# KiCad board EBAZ4205.kicad_pcb (continued)
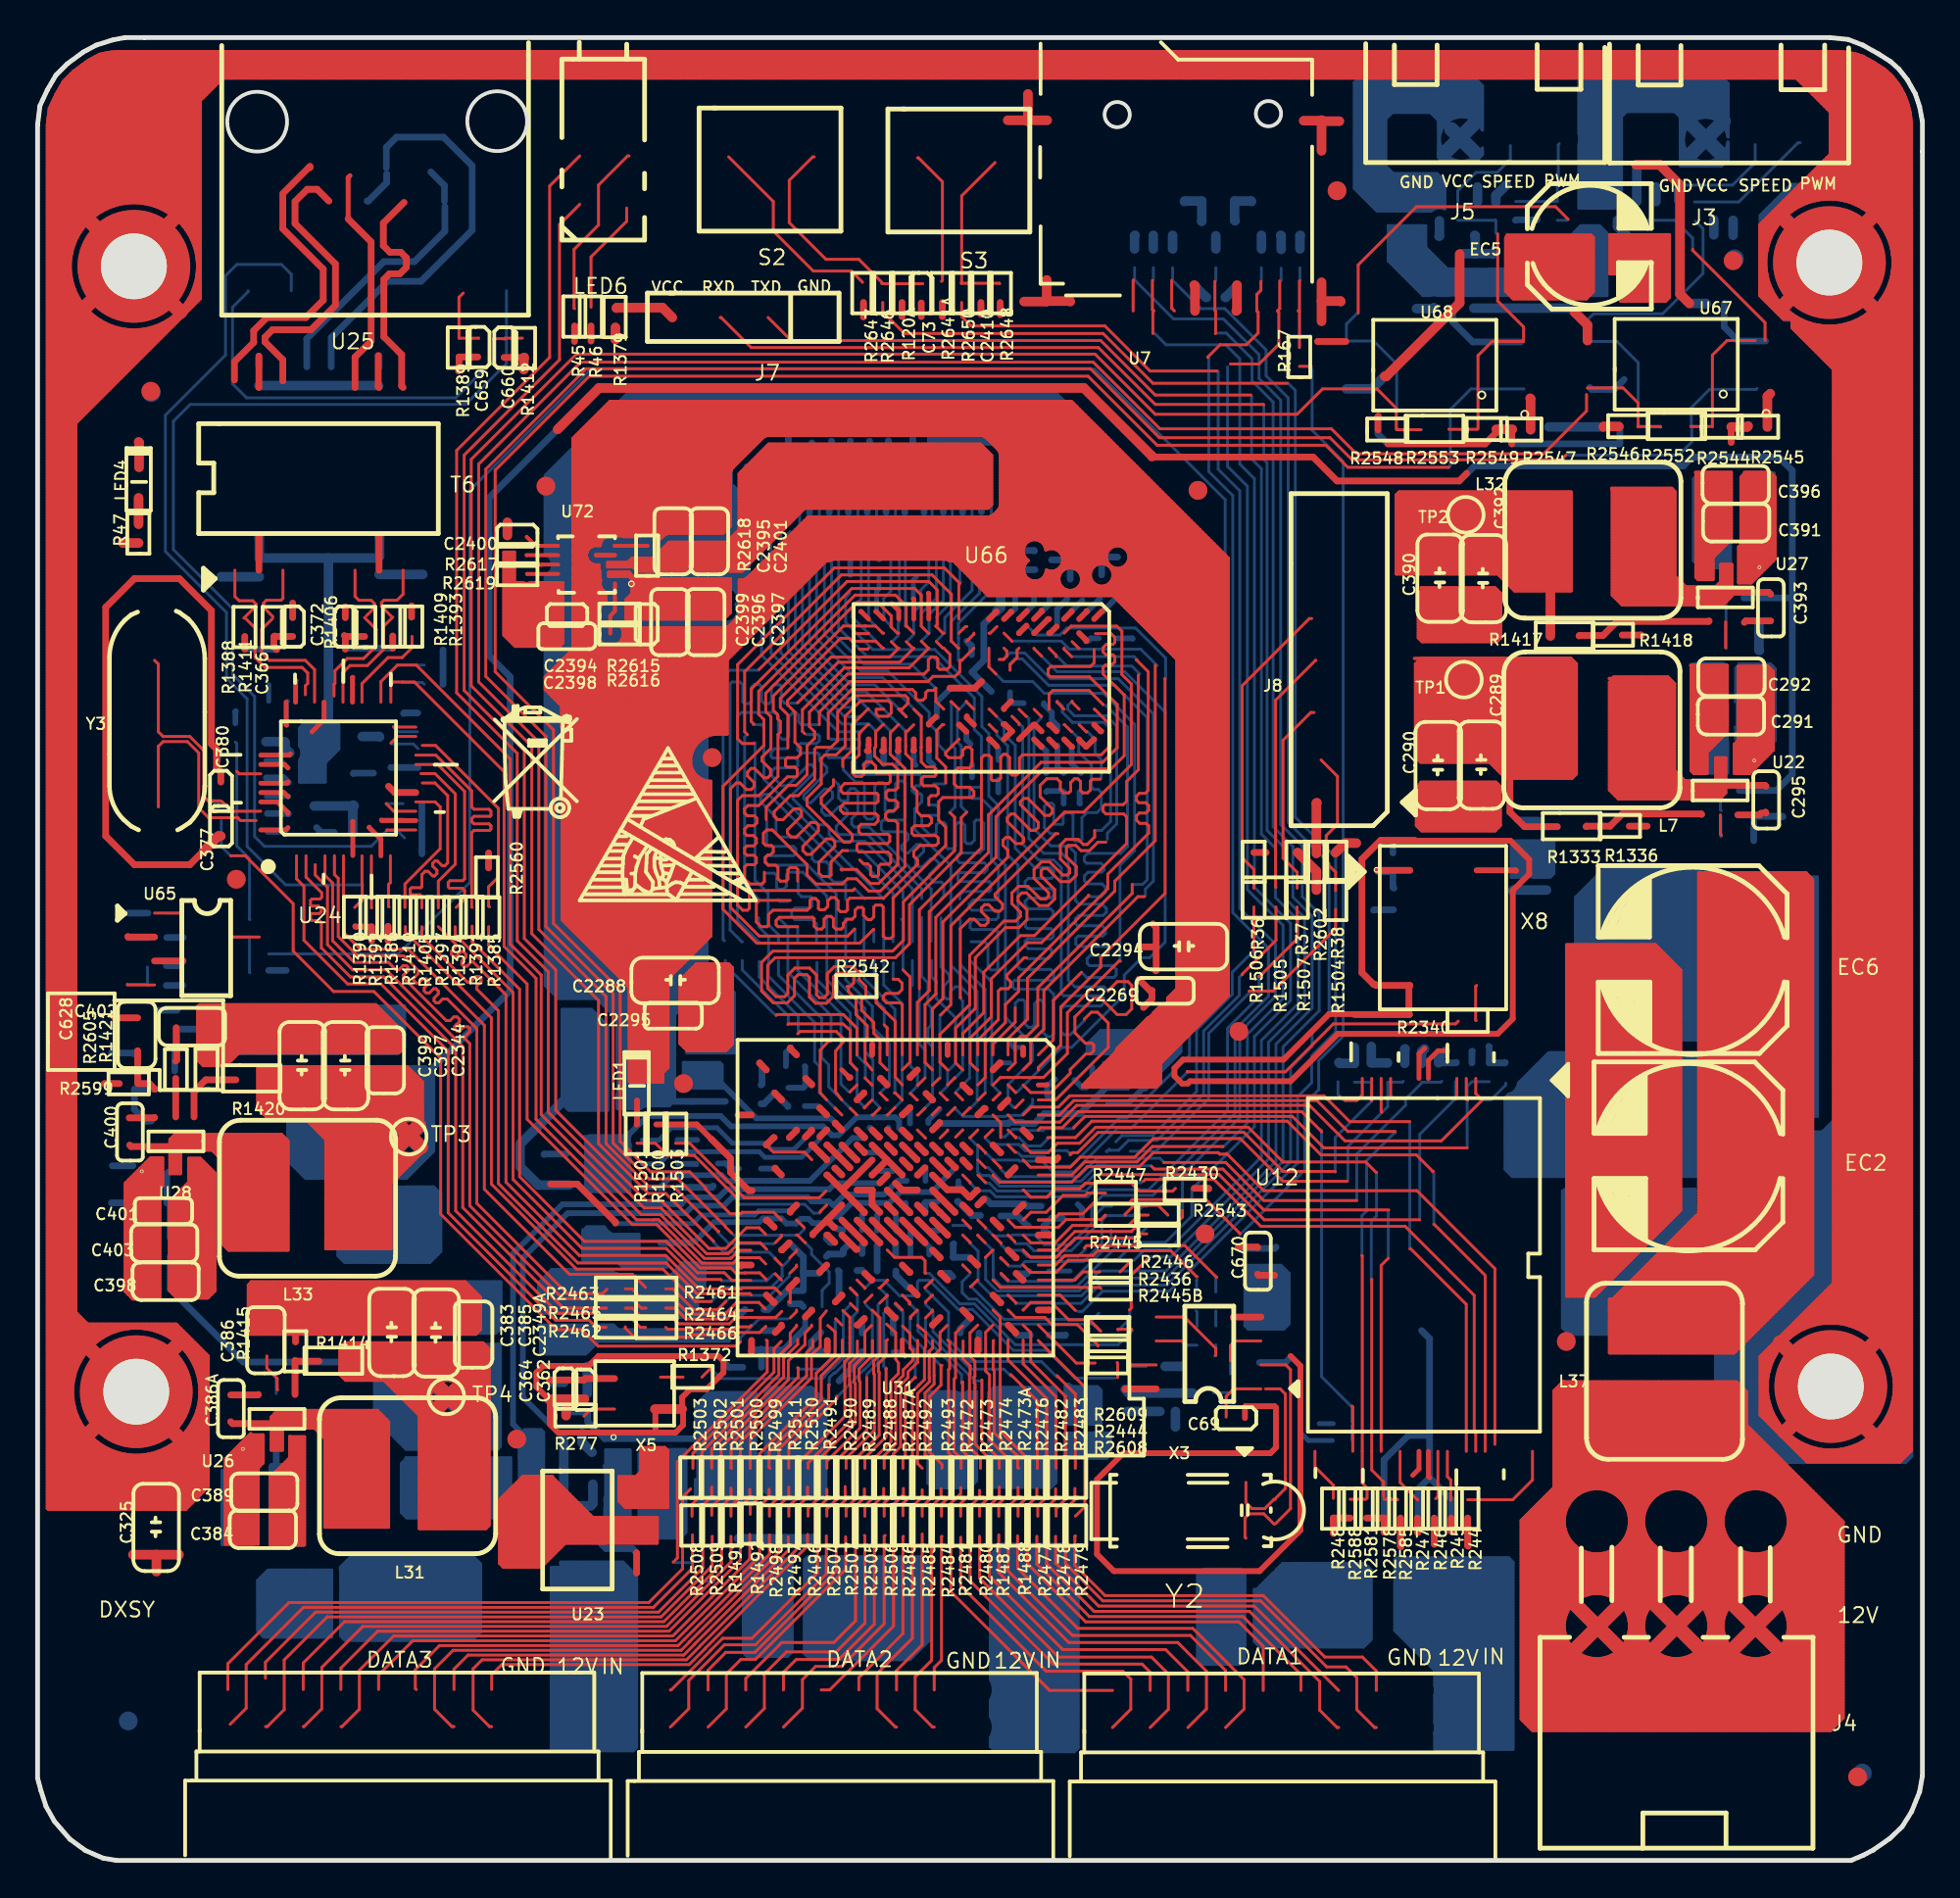
[diagram p0: board, top side]
## Routing (per net, layer and track width the routed paths; a pad name or vN(x,y) marks a point on that pad's centre or on a via; arc(x,y) is an arc through that point) (continued)
; 4.67,35.63 6.5,35.63 ; 81.38,30.3 83.11,30.3 ; 27.92,51.02 35.82,51.02 ; 89.89,27.02 89.89,52.56 ; 18.87,28.02 18.87,30.79 ; 36.09,43.11 36.09,47.71 ; 82.42,30.04 82.42,48.74 ; 83.8,69.92 87.13,69.92 ; 60.63,53 63.36,53 ; 75.25,64.88 75.25,67.73 ; 31.52,68.86 31.52,69.18 ; 86.53,27.02 86.53,32.57 ; 83.65,59.56 87.1,59.56 ; 25.57,15.62 25.57,20.17 ; 10.79,16.84 10.79,22.16 ; 56.66,41.17 56.66,42.3 ; 81.38,46.91 87.43,46.91 ; 87.45,14.2 87.45,16.32 ; 60.63,62.61 63.36,62.61 ; 88.51,6.92 88.51,11.33 ; 88.4,48.43 94.45,48.43 ; 83.65,27.4 90.66,27.4 ; 15.3,19.48 18.67,19.48 ; 14.6,23.02 14.6,23.94 ; 73.48,65.2 77.85,65.2 ; 28.49,67.64 30.05,67.64 ; 9.9,33.65 13.32,33.65 ; 19.81,24.2 21.05,24.2 ; 83.65,28.16 91.42,28.16 ; 62.45,45.13 62.45,70.21 ; 90.65,72.21 92.45,72.21 ; 30.01,47.98 34.58,47.98 ; 81.35,6.92 81.35,11.84 ; 33.34,70.56 33.34,77.65 ; 78.95,17.04 81.55,17.04 ; 83.65,57.88 87.23,57.88 ; 73.33,60.78 81.88,60.78 ; 13.08,32.49 13.08,38.54 ; 90.65,70.53 92.45,70.53 ; 84.86,27.02 84.86,30.89 ; 90.53,69.46 92.45,69.46 ; 31.69,68.85 37.69,68.85 ; 81.66,30.04 81.66,48.74 ; 16.12,17.74 16.12,23.94 ; 82.27,6.92 82.27,10.88 ; 24.82,65.81 27.94,65.81 ; 40.66,71.14 61.52,71.14 ; 14.14,42.99 14.14,45.54 ; 4.67,35.17 6.5,35.17 ; 24.59,18.41 29.38,18.41 ; 57.12,67.33 57.12,68.07 ; 31.49,41.73 33.27,41.73 ; 78.95,11.4 81.6,11.4 ; 36.24,59.96 36.24,65.6 ; 37.34,72.82 50.76,72.82 ; 86.84,56.51 86.84,62.9 ; 13.38,16.79 13.38,21.38 ; 41.57,75.86 41.57,77.65 ; 4.67,33.35 6.5,33.35 ; 87.6,6.92 87.6,10.78 ; 85.31,32.5 85.31,48.74 ; 78.95,8.05 96.08,8.05 ; 15.21,22.56 15.21,23.94 ; 81.38,46.3 87.43,46.3 ; 34.19,46.76 36.97,46.76 ; 60.39,46.15 63.36,46.15 ; 87.6,56.51 87.6,57.51 ; 47.67,69.27 47.67,71.5 ; 88.4,47.52 94.45,47.52 ; 28.49,64.59 37.37,64.59 ; 50.41,67.51 50.41,71.5 ; 77.69,64.92 77.69,67.59 ; 27.92,58.03 34.85,58.03 ; 81.38,42.34 87.43,42.34 ; 88.4,51.33 94.45,51.33 ; 41.27,75.86 41.27,77.65 ; 47.98,75.86 47.98,77.65 ; 35.33,66.08 35.33,68.21 ; 28.52,75.71 38.56,75.71 ; 80.7,24.05 90.93,24.05 ; 8.05,29.94 8.05,36.09 ; 11.22,28.16 23.47,28.16 ; 27.92,55.14 35.82,55.14 ; 81.38,39.29 87.43,39.29 ; 26.79,15.62 26.79,20.44 ; 84.25,83.79 86.83,83.79 ; 80.7,23.74 90.93,23.74 ; 75.86,64.88 75.86,67.73 ; 90.5,59.86 92.35,59.86 ; 29.25,48.74 35.34,48.74 ; 28.49,74.34 37.19,74.34 ; 27.05,62.3 36.69,62.3 ; 28.49,68.64 28.49,68.81 ; 12.4,17.5 14.2,17.5 ; 11.4,28.02 11.4,30.79 ; 46.3,69.27 46.3,71.5 ; 7.44,35.48 9.42,35.48 ; 76.32,64.88 76.32,67.73 ; 80.7,21.92 92.18,21.92 ; 13.69,39.49 13.69,42.24 ; 33.34,42.02 33.34,65.6 ; 94.3,6.92 94.3,19.79 ; 24.59,18.26 29.53,18.26 ; 60.63,62.76 63.36,62.76 ; 38.22,68.7 41.48,68.7 ; 12.16,32.49 12.16,38.64 ; 78.95,15.67 96.08,15.67 ; 4.67,33.5 6.5,33.5 ; 83.68,85.77 86.83,85.77 ; 34.19,44.93 36.97,44.93 ; 4.67,32.58 6.5,32.58 ; 82.27,83.13 82.27,86.5 ; 88.25,69.01 89.15,69.01 ; 16.24,25.73 24.02,25.73 ; 33.5,70.62 33.5,77.65 ; 90.45,59.56 92.35,59.56 ; 90.53,68.24 91.41,68.24 ; 88.25,69.46 89.26,69.46 ; 28.49,71.9 36.86,71.9 ; 40.81,71.29 61.37,71.29 ; 88.97,66.83 88.97,67.78 ; 37.04,70.53 39.36,70.53 ; 82.42,14.13 82.42,16.4 ; 55.61,41.25 57.31,42.94 ; 80.44,57.61 80.44,63.98 ; 87.75,27.02 87.75,33.79 ; 77.86,57.88 81.88,57.88 ; 45.54,75.86 45.54,77.65 ; 83.68,85.62 86.83,85.62 ; 27.25,62.1 27.25,63.21 ; 30.6,68.36 30.6,68.56 ; 81.38,45.38 87.43,45.38 ; 84.67,17.65 85.5,17.65 ; 90.8,19.68 90.8,25.07 ; 88.51,27.02 88.51,52.56 ; 13.38,39.49 13.38,42.24 ; 74.65,54.81 74.65,57.38 ; 34.28,43.4 36.91,43.4 ; 55.14,67.33 55.14,67.62 ; 44.77,69.27 44.77,71.5 ; 16.58,28.02 16.58,30.79 ; 12.4,17.04 14.2,17.04 ; 84.25,83.94 86.83,83.94 ; 10,19.02 11.72,19.02 ; 27.92,56.51 35.82,56.51 ; 13.53,28.02 13.53,30.79 ; 54.42,69.62 56.92,69.62 ; 14.29,23.02 14.29,23.94 ; 73.47,63.83 81.74,63.83 ; 86.38,33.57 86.38,48.43 ; 40.05,71.22 40.05,75.38 ; 15.67,17.74 15.67,23.94 ; 32.12,21.76 33.52,21.76 ; 90.65,71.9 92.45,71.9 ; 16.43,17.74 16.43,23.94 ; 81.38,35.33 87.43,35.33 ; 16.12,42.99 16.12,45.54 ; 49.5,68.42 49.5,71.5 ; 18.1,17.74 18.1,23.91 ; 85.92,13.66 85.92,16.86 ; 88,62.3 89.9,62.3 ; 60.63,63.83 63.36,63.83 ; 84.21,84.4 86.83,84.4 ; 77.4,58.34 81.88,58.34 ; 92.32,29.06 92.32,52.56 ; 84.25,6.92 84.25,11.28 ; 32.92,69.46 38.3,69.46 ; 88.53,19.17 90.09,19.17 ; 57.88,66.69 57.88,68.92 ; 86.53,6.92 86.53,10.86 ; 60.63,58.03 63.36,58.03 ; 92.02,6.92 92.02,10.84 ; 80.7,23.9 90.93,23.9 ; 12.31,32.49 12.31,38.64 ; 13.42,21.76 14.2,21.76 ; 83.48,19.72 83.48,25.47 ; 88.25,70.68 90.13,70.68 ; 28.49,70.68 36.51,70.68 ; 27.92,51.63 35.82,51.63 ; 29.38,69.87 29.38,76.57 ; 36.7,43.2 36.7,47.71 ; 77.71,58.03 81.88,58.03 ; 90.5,62.45 92.35,62.45 ; 4.72,36.09 6.65,36.09 ; 84.63,17.5 85.55,17.5 ; 27.92,55.6 35.82,55.6 ; 57.73,69.93 57.73,74.94 ; 73.73,68.48 73.73,72.83 ; 78.4,67.79 81.6,67.79 ; 52.24,67.33 52.24,77.65 ; 81.5,13.41 81.5,17.11 ; 84.25,83.33 86.83,83.33 ; 81.66,83.13 81.66,86.5 ; 37.34,71.45 40.28,71.45 ; 54.68,67.33 54.68,67.65 ; 88.25,71.14 90.13,71.14 ; 83.79,19.59 83.79,25.47 ; 90.65,71.6 92.45,71.6 ; 73.38,55.14 77.83,55.14 ; 76.17,54.81 76.17,57.38 ; 28.49,72.05 36.86,72.05 ; 77.39,64.88 77.39,67.73 ; 4.67,33.04 6.5,33.04 ; 90.5,63.52 92.11,63.52 ; 53.6,68.4 54.37,68.4 ; 86.23,13.92 86.23,16.6 ; 15.35,33.19 18.79,33.19 ; 27.39,20.44 25.84,20.44 24.59,19.19 24.59,15.82 24.79,15.62 26.79,15.62 28.07,16.89 32.97,16.89 32.97,18.24 29.54,18.24 27.37,20.42 ; 10,17.95 11.72,17.95 ; 59.39,45.11 59.71,45.44 ; 85.01,32.2 85.01,48.74 ; 10,19.32 11.72,19.32 ; 92.43,19.48 94.62,19.48 ; 28.49,70.38 30.11,70.38 ; 31.67,18.79 31.67,20.42 ; 88.69,13.38 89.93,13.38 ; 50.72,67.33 50.72,71.52 ; 90.3,58.49 91.73,58.49 ; 88,61.84 89.9,61.84 ; 73.42,57.12 77.83,57.12 ; 93.24,6.92 93.24,20.86 ; 58.15,66.42 63.36,66.42 ; 88.97,6.92 88.97,25.47 ; 81.38,36.39 87.43,36.39 ; 89.3,58.64 89.83,58.64 ; 86.08,13.81 86.08,16.72 ; 74.19,64.88 74.19,67.73 ; 56.97,69.71 56.97,75.7 ; 55.44,68.56 55.44,77.22 ; 34.72,66.08 34.72,68.21 ; 60.63,63.37 63.36,63.37 ; 73.38,56.2 77.83,56.2 ; 76.47,68.48 76.47,72.83 ; 55.29,67.33 55.29,67.69 ; 15.3,22.37 18.67,22.37 ; 12.17,39.59 20.47,39.59 ; 88,60.17 89.9,60.17 ; 28.49,74.04 36.92,74.04 ; 7.02,31.67 9.42,31.67 ; 74.34,54.81 74.34,57.38 ; 10.03,42.32 10.03,45.54 ; 81.38,34.41 87.22,34.41 ; 77.69,68.48 77.69,72.83 ; 56.99,67.94 63.36,67.94 ; 82.27,30.04 82.27,48.74 ; 87.14,34.33 87.14,47.67 ; 19.93,24.08 19.93,27.54 ; 46.6,75.86 46.6,77.65 ; 78.46,67.73 78.46,72.83 ; 36.85,68.63 36.85,70.34 ; 33.04,68.63 33.04,69.58 ; 31.36,70.47 31.36,77.65 ; 72.31,71.9 81.6,71.9 ; 34.56,66.08 34.56,68.21 ; 78.15,83.51 78.15,86.38 ; 15.3,20.54 18.67,20.54 ; 86.38,56.51 86.38,62.98 ; 31.49,43.86 33.54,43.86 ; 79.37,83.13 79.37,86.5 ; 82.11,6.92 82.11,10.96 ; 9.27,42.31 9.27,45.54 ; 60.63,55.9 63.36,55.9 ; 45.38,69.27 45.38,71.5 ; 30.17,47.82 34.43,47.82 ; 30.91,68.36 30.91,68.56 ; 88.67,13.42 88.67,17.11 ; 88.25,69.92 89.72,69.92 ; 83.65,57.73 87.38,57.73 ; 7.02,31.06 9.42,31.06 ; 81.38,45.54 87.43,45.54 ; 11.72,40.81 20.47,40.81 ; 44.47,69.27 44.47,71.5 ; 73.48,67.33 77.85,67.33 ; 59.52,65.04 63.36,65.04 ; 54.83,67.33 54.83,67.6 ; 30.88,64.74 37.52,64.74 ; 41.27,68.49 41.27,71.5 ; 78.91,57.61 78.91,63.98 ; 61.23,43.91 61.23,71.43 ; 75.71,68.48 75.71,72.83 ; 87.92,33.95 94.45,33.95 ; 76.78,64.88 76.78,67.73 ; 15.82,32.57 15.82,42.24 ; 40.96,75.86 40.96,77.65 ; 23.13,28.02 23.13,30.4 ; 91.71,6.92 91.71,10.76 ; 89.73,59.89 89.73,63.61 ; 8.52,44.01 19.42,44.01 ; 39.28,69.77 52.44,69.77 ; 83.65,29.08 92.34,29.08 ; 28.49,66.87 30.08,66.87 ; 12.47,21.84 12.47,23.61 ; 88.22,34.26 94.45,34.26 ; 10,18.71 11.72,18.71 ; 15.67,42.99 15.67,45.54 ; 58.64,41.17 58.64,44.4 ; 72.31,70.68 81.6,70.68 ; 74.04,58.46 74.04,63.98 ; 24.82,67.48 27.94,67.48 ; 24.82,69.46 25.37,69.46 ; 12.4,17.19 14.2,17.19 ; 88.25,70.07 89.87,70.07 ; 12.4,17.65 14.2,17.65 ; 15.3,21.46 18.67,21.46 ; 13.84,39.49 13.84,42.24 ; 63.06,45.74 63.06,69.6 ; 7.44,29.94 7.44,35.48 ; 15.82,42.99 15.82,45.54 ; 36.69,63.06 27.1,63.06 27.1,62.25 ; 37.35,67.33 40.11,67.33 ; 37.35,67.48 40.26,67.48 ; 60.32,64.25 60.32,72.35 ; 89.3,57.58 89.83,57.58 ; 40.66,67.88 40.66,71.14 ; 7.02,31.21 9.42,31.21 ; 41.73,71.98 41.73,75.38 ; 84.7,31.89 84.7,48.74 ; 86.23,27.02 86.23,32.27 ; 31.64,67.79 36.87,67.79 ; 83.84,13.99 86.34,13.99 ; 47.06,71.98 47.06,75.38 ; 73.33,63.67 81.88,63.67 ; 42.64,75.86 42.64,77.65 ; 83.79,56.85 83.79,62.84 ; 84.09,19.39 84.09,25.47 ; 89.43,59.59 89.43,63.61 ; 86.85,32.89 94.45,32.89 ; 7.02,33.5 9.42,33.5 ; 15.35,34.72 18.79,34.72 ; 88.4,39.44 94.45,39.44 ; 33.04,41.44 33.04,65.6 ; 60.63,53.77 63.36,53.77 ; 78.95,17.8 81.25,17.8 ; 22.68,24.83 22.68,27.54 ; 32.74,41.44 32.74,65.6 ; 50.72,75.51 50.72,77.65 ; 83.65,28.77 92.03,28.77 ; 49.04,68.88 49.04,71.5 ; 33.23,69.77 38.6,69.77 ; 72.31,71.6 81.6,71.6 ; 34.72,43.11 34.72,47.36 ; 84.57,17.34 85.61,17.34 ; 31.49,44.62 33.54,44.62 ; 91.93,14.14 96.08,14.14 ; 60.63,62.3 63.36,62.3 ; 38.83,75.86 38.83,77.65 ; 27.92,59.1 34.87,59.1 ; 31.49,45.69 33.54,45.69 ; 88.4,48.13 94.45,48.13 ; 40.05,67.27 40.05,70.53 ; 84.25,66.91 84.25,73.03 ; 87.61,33.65 94.45,33.65 ; 83.18,30.37 83.18,48.74 ; 28.49,65.65 29.88,65.65 ; 19.93,28.02 19.93,30.79 ; 91.41,14.22 91.41,16.31 ; 29.38,48.61 29.38,69.08 ; 46.6,71.98 46.6,75.38 ; 28.49,72.21 36.86,72.21 ; 86.54,32.58 94.45,32.58 ; 10.33,32.49 10.33,38.64 ; 18.26,32.57 18.26,42.24 ; 34.19,45.23 36.97,45.23 ; 31.49,42.18 33.51,42.18 ; 39.74,70.23 52.74,70.23 ; 29.13,76.32 56.34,76.32 ; 88.4,39.59 94.45,39.59 ; 87.14,19.79 87.14,25.47 ; 81.38,44.01 87.43,44.01 ; 83.64,14.09 83.64,16.44 ; 23.74,17.67 23.74,27.49 ; 49.65,75.86 49.65,77.65 ; 45.38,71.98 45.38,75.38 ; 48.74,75.86 48.74,77.65 ; 90.5,61.08 92.35,61.08 ; 48.13,75.86 48.13,77.65 ; 15.97,28.02 15.97,30.79 ; 81.38,41.57 87.43,41.57 ; 92.07,16.43 96.08,16.43 ; 77.08,64.88 77.08,67.73 ; 73.38,56.51 77.83,56.51 ; 89.28,69.48 89.28,73.88 ; 11.7,28.02 11.7,30.79 ; 31.49,44.32 33.54,44.32 ; 36.39,59.96 36.39,65.6 ; 76.78,68.48 76.78,72.83 ; 10,17.5 11.72,17.5 ; 15.35,33.8 18.79,33.8 ; 59.83,64.74 63.36,64.74 ; 28.49,49.5 35.82,49.5 ; 24.82,66.87 27.94,66.87 ; 46.45,75.86 46.45,77.65 ; 73.88,54.81 73.88,57.38 ; 88.51,19.2 88.51,25.47 ; 10,19.78 11.72,19.78 ; 89.46,67.94 90.15,67.94 ; 84.45,11.55 85.72,11.55 ; 14.6,42.99 14.6,45.54 ; 21.91,17.67 21.91,23.79 ; 27.2,62.15 36.69,62.15 ; 88,61.39 89.9,61.39 ; 34.41,68.63 34.41,70.16 ; 57.27,69.95 57.27,75.39 ; 88.4,43.71 94.45,43.71 ; 81.38,39.14 87.43,39.14 ; 42.49,69.27 42.49,71.5 ; 57.42,69.98 57.42,75.24 ; 37.76,68.93 37.76,74.23 ; 83.03,30.22 83.03,48.74 ; 83.79,30.98 83.79,48.74 ; 17.04,42.99 17.04,45.54 ; 17.34,28.02 17.34,30.79 ; 83.65,58.95 87.1,58.95 ; 81.38,44.17 87.43,44.17 ; 80.7,20.39 93.7,20.39 ; 29.44,76.63 56.04,76.63 ; 60.63,51.33 63.36,51.33 ; 82.72,14.2 82.72,16.32 ; 37,74.15 38.57,75.72 ; 15.36,17.74 15.36,23.94 ; 93.11,12.92 96.08,12.92 ; 20.09,28.02 20.09,30.79 ; 78.95,17.34 81.38,17.34 ; 88.4,42.64 94.45,42.64 ; 17.65,17.74 17.65,23.94 ; 28.51,70.07 29.94,70.07 ; 16.43,32.57 16.43,42.24 ; 88.06,6.92 88.06,10.96 ; 85.92,56.51 85.92,62.98 ; 88.46,13.69 90.17,13.69 ; 35.48,48.87 35.48,57.49 ; 24.82,66.42 27.94,66.42 ; 60.63,55.14 63.36,55.14 ; 52.55,70.04 52.55,77.65 ; 88,62.15 89.9,62.15 ; 25.12,15.62 25.12,19.72 ; 31.52,66.08 31.52,67.31 ; 88,59.56 89.4,59.56 ; 31.49,42.03 33.36,42.03 ; 78.13,84.55 82.78,84.55 ; 28.49,74.19 37.04,74.19 ; 72.44,72.82 81.6,72.82 ; 80.49,19.63 82.24,19.63 ; 51.24,73.12 59.54,73.12 ; 76.02,58.46 76.02,63.98 ; 75.25,54.81 75.25,57.38 ; 61.08,43.76 61.08,71.58 ; 12.01,28.02 12.01,30.79 ; 54.51,69.46 56.87,69.46 ; 75.71,58.46 75.71,63.98 ; 38.91,75.86 50.16,75.86 ; 88.97,68.18 88.97,73.88 ; 28.68,75.86 56.8,75.86 ; 88,60.93 89.9,60.93 ; 78.13,84.7 82.78,84.7 ; 81.38,31.06 83.87,31.06 ; 85.77,32.96 85.77,48.74 ; 31.97,20.54 33.52,20.54 ; 62.3,44.98 62.3,70.36 ; 78.95,14.75 96.08,14.75 ; 78.48,83.18 82.46,83.18 ; 87.6,27.02 87.6,33.64 ; 90.53,69.62 92.45,69.62 ; 79.06,83.13 79.06,86.5 ; 92.57,16.73 96.08,16.73 ; 45.84,75.86 45.84,77.65 ; 7.59,35.63 9.42,35.63 ; 78.95,8.35 96.08,8.35 ; 7.02,33.8 9.42,33.8 ; 33.8,66.08 33.8,68.21 ; 81.38,35.17 87.43,35.17 ; 55.5,67.94 56.26,67.94 ; 90.95,14.15 90.95,16.37 ; 88.77,13.23 89.85,13.23 ; 9.9,34.11 13.32,34.11 ; 7.02,30.91 9.42,30.91 ; 92.48,19.44 92.48,21.62 ; 28.49,67.79 29.96,67.79 ; 78,68.19 78,72.83 ; 78.76,57.61 78.76,63.98 ; 78.13,85.92 82.78,85.92 ; 90.3,58.19 91.43,58.19 ; 60.63,47.52 63.36,47.52 ; 21.15,17.67 21.15,24.06 ; 83.8,68.4 87.13,68.4 ; 37.31,64.52 37.31,66.24 ; 83.65,60.02 87.1,60.02 ; 46.91,71.98 46.91,75.38 ; 46.76,69.27 46.76,71.5 ; 24.82,65.35 27.94,65.35 ; 72.31,69.62 81.6,69.62 ; 16.58,25.57 16.58,27.54 ; 56.81,67.33 56.81,67.85 ; 37.61,64.83 37.61,68.17 ; 31.06,70.51 31.06,77.65 ; 21.76,28.02 21.76,30.79 ; 10,18.26 11.72,18.26 ; 35.17,48.57 35.17,57.65 ; 85.77,66.83 85.77,73.03 ; 43.86,75.86 43.86,77.65 ; 10.33,42.62 10.33,45.54 ; 78.95,11.25 81.74,11.25 ; 60.63,57.12 63.36,57.12 ; 86.68,27.02 86.68,32.72 ; 89.58,68.55 90.15,68.55 ; 79.22,83.13 79.22,86.5 ; 17.8,28.02 17.8,30.79 ; 8.05,36.09 9.42,36.09 ; 9.9,36.09 13.32,36.09 ; 83.65,62 87.1,62 ; 38.37,69.54 38.37,74.84 ; 30.14,16.89 30.14,18.24 ; 41.42,75.86 41.42,77.65 ; 15.06,38.68 15.06,42.24 ; 24.59,16.73 27.91,16.73 ; 88,58.95 88.83,58.95 ; 33.53,70.07 38.91,70.07 ; 73.12,68.48 73.12,72.83 ; 56.55,42.18 59.76,42.18 ; 31.36,16.89 31.36,18.24 ; 83.48,6.92 83.48,10.81 ; 19.05,24.96 20.96,24.96 ; 83.8,69.16 87.13,69.16 ; 73.38,55.44 77.83,55.44 ; 24.82,67.03 27.94,67.03 ; 12.01,39.75 20.47,39.75 ; 87.75,6.92 87.75,10.82 ; 17.5,42.99 17.5,45.54 ; 39.44,69.92 52.48,69.92 ; 35.78,66.08 35.78,68.21 ; 16.28,17.74 16.28,23.94 ; 81.38,47.37 87.43,47.37 ; 86.53,33.72 86.53,48.28 ; 80.74,67.58 80.74,72.83 ; 60.63,46.91 63.36,46.91 ; 93.39,6.92 93.39,20.7 ; 27.71,64.63 27.71,68.01 ; 73.88,64.88 73.88,67.73 ; 56.97,68.93 56.97,69.04 ; 43.71,75.86 43.71,77.65 ; 84.55,56.51 84.55,62.98 ; 78.13,84.25 82.78,84.25 ; 88.4,39.75 94.45,39.75 ; 38.48,74.95 50.59,74.95 ; 15.3,20.09 18.67,20.09 ; 74.8,58.46 74.8,63.98 ; 39.75,66.96 39.75,70.23 ; 31.82,16.89 31.82,18.24 ; 85.01,66.83 85.01,73.03 ; 88.36,68.2 88.36,73.88 ; 30.2,77.39 55.28,77.39 ; 23.13,17.67 23.13,27.54 ; 88.4,47.67 94.45,47.67 ; 84.31,19.17 85.87,19.17 ; 83.8,69.01 87.13,69.01 ; 84.29,66.87 89.72,66.87 ; 77.69,58.05 77.69,63.98 ; 16.1,26.79 24.02,26.79 ; 59.51,45.23 62.55,45.23 ; 22.55,24.2 24.02,24.2 ; 31.97,41.44 31.97,65.6 ; 41.88,71.98 41.88,75.38 ; 53.36,70.23 62.44,70.23 ; 49.04,75.86 49.04,77.65 ; 83.68,85.92 86.83,85.92 ; 73.73,64.88 73.73,67.73 ; 61.54,44.22 61.54,71.13 ; 88.4,44.78 94.45,44.78 ; 59.71,64.86 59.71,72.95 ; 11.7,32.49 11.7,38.64 ; 15.3,22.07 18.67,22.07 ; 62.61,45.28 62.61,70.06 ; 27.02,62.91 36.69,62.91 ; 13.23,32.49 13.23,38.38 ; 30.94,19.17 33.52,19.17 ; 60.63,46.76 63.36,46.76 ; 28.49,67.33 30.23,67.33 ; 73.38,55.6 77.83,55.6 ; 45.38,75.86 45.38,77.65 ; 47.37,75.86 47.37,77.65 ; 32.74,70.58 32.74,77.65 ; 90.5,62.61 92.35,62.61 ; 28.49,72.97 36.86,72.97 ; 57.24,67.33 63.36,67.33 ; 75.71,54.81 75.71,57.38 ; 60.63,61.08 63.36,61.08 ; 81.38,40.36 87.43,40.36 ; 83.65,61.84 87.1,61.84 ; 28.16,49.83 28.16,64.13 ; 60.63,62.91 63.36,62.91 ; 85.16,6.92 85.16,25.47 ; 14.14,16.79 14.14,22.54 ; 12.55,20.54 14.2,20.54 ; 12.45,22.07 13.02,22.07 ; 86.53,14.09 86.53,16.44 ; 90.65,72.97 92.45,72.97 ; 22.68,28.02 22.68,30.79 ; 60.63,47.82 63.36,47.82 ; 90.65,70.68 92.45,70.68 ; 90.19,13.71 90.19,16.82 ; 32.12,21.46 33.52,21.46 ; 89.89,60.04 89.89,63.61 ; 11.55,16.84 11.55,22.64 ; 45.99,71.98 45.99,75.38 ; 93.54,6.92 93.54,20.55 ; 5.48,36.85 6.65,36.85 ; 80.89,57.61 80.89,63.98 ; 31.52,16.89 31.52,18.24 ; 77.54,68.48 77.54,72.83 ; 87.29,14.22 87.29,16.31 ; 81.38,30.45 83.26,30.45 ; 8.65,45.54 18,45.54 ; 10.64,32.49 10.64,38.64 ; 92.94,17.19 96.08,17.19 ; 58.95,41.17 58.95,44.7 ; 30.34,69.01 37.84,69.01 ; 35.02,47.67 36.81,47.67 ; 17.95,32.57 17.95,42.24 ; 58.46,66.11 63.36,66.11 ; 21,17.67 21,24.28 ; 86.38,83 86.38,86.53 ; 48.58,75.86 48.58,77.65 ; 78.96,18.11 81.23,18.11 ; 37.76,64.98 37.76,68.25 ; 42.4,69.27 48.25,69.27 ; 51.16,71.9 60.76,71.9 ; 83.65,57.12 89.83,57.12 ; 76.63,58.46 76.63,63.98 ; 28.49,66.72 29.92,66.72 ; 15.35,37.46 20.21,37.46 ; 60.63,57.58 63.36,57.58 ; 38.83,70 38.83,75.3 ; 13.84,28.02 13.84,30.79 ; 38.37,75.52 38.37,77.65 ; 78.95,16.43 82.33,16.43 ; 85.92,66.83 85.92,73.03 ; 58.87,44.62 61.94,44.62 ; 78.95,17.5 81.32,17.5 ; 84.4,27.02 84.4,30.44 ; 29.73,70 29.93,70 ; 21.46,28.02 21.46,30.79 ; 7.02,33.35 9.42,33.35 ; 78.76,83.13 78.76,86.5 ; 57.42,67.14 57.42,68.77 ; 84.4,13.48 84.4,17.04 ; 89.43,27.02 89.43,52.56 ; 22.22,28.02 22.22,30.79 ; 11.22,28.47 23.57,28.47 ; 29.23,48.76 29.23,69.31 ; 92.63,29.37 92.63,52.56 ; 73.38,55.29 77.83,55.29 ; 29.56,48.43 35.04,48.43 ; 88.4,47.06 94.45,47.06 ; 37.57,74.04 50.76,74.04 ; 16.28,42.99 16.28,45.54 ; 37.15,64.37 37.15,66.04 ; 34.19,46.3 36.97,46.3 ; 49.35,68.57 49.35,71.5 ; 33.5,42.17 33.5,65.6 ; 24.82,67.18 27.94,67.18 ; 16.43,28.02 16.43,30.79 ; 82.72,30.04 82.72,48.74 ; 9.9,33.8 13.32,33.8 ; 91.41,28.15 91.41,52.56 ; 75.41,54.81 75.41,57.38 ; 74.65,64.88 74.65,67.73 ; 88.4,36.55 94.45,36.55 ; 92.36,16.58 96.08,16.58 ; 81.2,67.58 81.2,72.83 ; 81.38,40.51 87.43,40.51 ; 33.65,47.05 33.65,65.6 ; 15.35,32.58 18.79,32.58 ; 84.25,13.67 84.25,16.86 ; 83.8,70.38 87.13,70.38 ; 10,18.11 11.72,18.11 ; 9.9,36.85 13.32,36.85 ; 90.5,62.76 92.35,62.76 ; 44.32,71.98 44.32,75.38 ; 88.4,52.09 94.45,52.09 ; 83.91,16.58 86.26,16.58 ; 31.49,42.95 33.54,42.95 ; 12.7,20.7 14.2,20.7 ; 12.31,42.99 12.31,45.54 ; 84.41,30.45 93.71,30.45 ; 44.62,71.98 44.62,75.38 ; 8.35,29.94 8.35,37.36 ; 84.55,13.23 85.63,13.23 ; 24.59,16.28 27.45,16.28 ; 91.26,68.09 91.26,73.88 ; 80.7,21.15 92.94,21.15 ; 11.15,22.52 12,22.52 ; 88.4,49.35 94.45,49.35 ; 83.65,60.62 87.1,60.62 ; 73.38,56.66 77.83,56.66 ; 34.19,44.47 36.97,44.47 ; 7.02,34.87 9.42,34.87 ; 78.13,84.4 82.78,84.4 ; 24.59,16.89 28.06,16.89 ; 15.35,35.02 18.79,35.02 ; 51.24,73.73 58.93,73.73 ; 12.47,42.99 12.47,45.54 ; 89.12,6.92 89.12,25.47 ; 31.32,66.57 36.87,66.57 ; 37.19,70.68 39.52,70.68 ; 92.93,29.67 92.93,52.56 ; 27.92,50.72 35.82,50.72 ; 88.4,36.85 94.45,36.85 ; 19.32,28.02 19.32,30.79 ; 59.02,44.78 62.1,44.78 ; 40.2,75.86 40.2,77.65 ; 88,58.8 88.83,58.8 ; 11.55,42.99 11.55,45.54 ; 20.32,17.95 24.02,17.95 ; 78.95,15.82 96.08,15.82 ; 27.92,58.34 34.75,58.34 ; 28.49,69.16 29.31,69.16 ; 31.49,43.25 33.54,43.25 ; 58.08,69.31 63.35,69.31 ; 31.04,64.89 37.67,64.89 ; 89.58,68.4 90.15,68.4 ; 45.23,69.27 45.23,71.5 ; 88.25,72.97 90.13,72.97 ; 34.56,47.96 34.56,65.6 ; 28.49,65.96 29.87,65.96 ; 21.15,25.29 21.15,27.54 ; 88.4,38.53 94.45,38.53 ; 34.26,70.64 34.26,77.65 ; 11.25,42.99 11.25,45.54 ; 60.63,48.74 63.36,48.74 ; 18.1,42.99 18.1,45.43 ; 33.34,66.08 33.34,68.21 ; 57.12,69.87 57.12,75.55 ; 9.9,33.35 13.32,33.35 ; 36.55,66.11 36.55,68.21 ; 27.66,61.69 36.69,61.69 ; 49.35,75.86 49.35,77.65 ; 28.49,70.84 36.66,70.84 ; 86.68,19.72 86.68,25.47 ; 83.65,61.54 87.1,61.54 ; 32.74,66.08 32.74,68.21 ; 94.91,6.92 94.91,19.18 ; 72.31,71.45 81.6,71.45 ; 35.94,59.94 35.94,65.6 ; 34.19,45.38 36.97,45.38 ; 91.71,68.54 91.71,73.88 ; 91.41,68.24 91.41,73.88 ; 75.1,58.46 75.1,63.98 ; 56.4,42.03 59.76,42.03 ; 27.92,57.58 35.28,57.58 ; 78.95,10.79 82.53,10.79 ; 8.66,37.81 8.66,38.64 ; 24.82,65.5 27.94,65.5 ; 57.58,69.98 57.58,75.09 ; 51.24,72.51 60.15,72.51 ; 24.82,69.16 25.37,69.16 ; 60.63,53.92 63.36,53.92 ; 83.65,57.42 89.83,57.42 ; 88.67,27.02 88.67,52.56 ; 81.38,43.56 87.43,43.56 ; 49.96,67.96 49.96,71.5 ; 12.45,23.44 18.57,23.44 ; 32.28,18.79 32.28,21.97 ; 20.32,18.26 24.02,18.26 ; 78.13,85.77 82.78,85.77 ; 4.67,34.11 6.5,34.11 ; 81.5,18.99 81.5,25.47 ; 11.72,41.88 20.03,41.88 ; 86.68,56.51 86.68,62.98 ; 37.35,67.79 40.57,67.79 ; 84.86,66.83 84.86,73.03 ; 49.19,71.98 49.19,75.38 ; 73.33,63.22 81.88,63.22 ; 92.48,29.22 92.48,52.56 ; 11.72,41.73 20.18,41.73 ; 31.64,68.09 36.87,68.09 ; 88.25,71.6 90.13,71.6 ; 35.94,66.08 35.94,68.21 ; 35.78,43.11 35.78,47.71 ; 88.76,11.7 89.86,11.7 ; 9.35,37.76 13.32,37.76 ; 79.98,83.13 79.98,86.5 ; 51.18,75.03 51.18,77.65 ; 31.06,46.93 31.06,64.93 ; 28.19,49.8 35.82,49.8 